# KiCad board cyberdeck-alpha.kicad_pcb (continued)
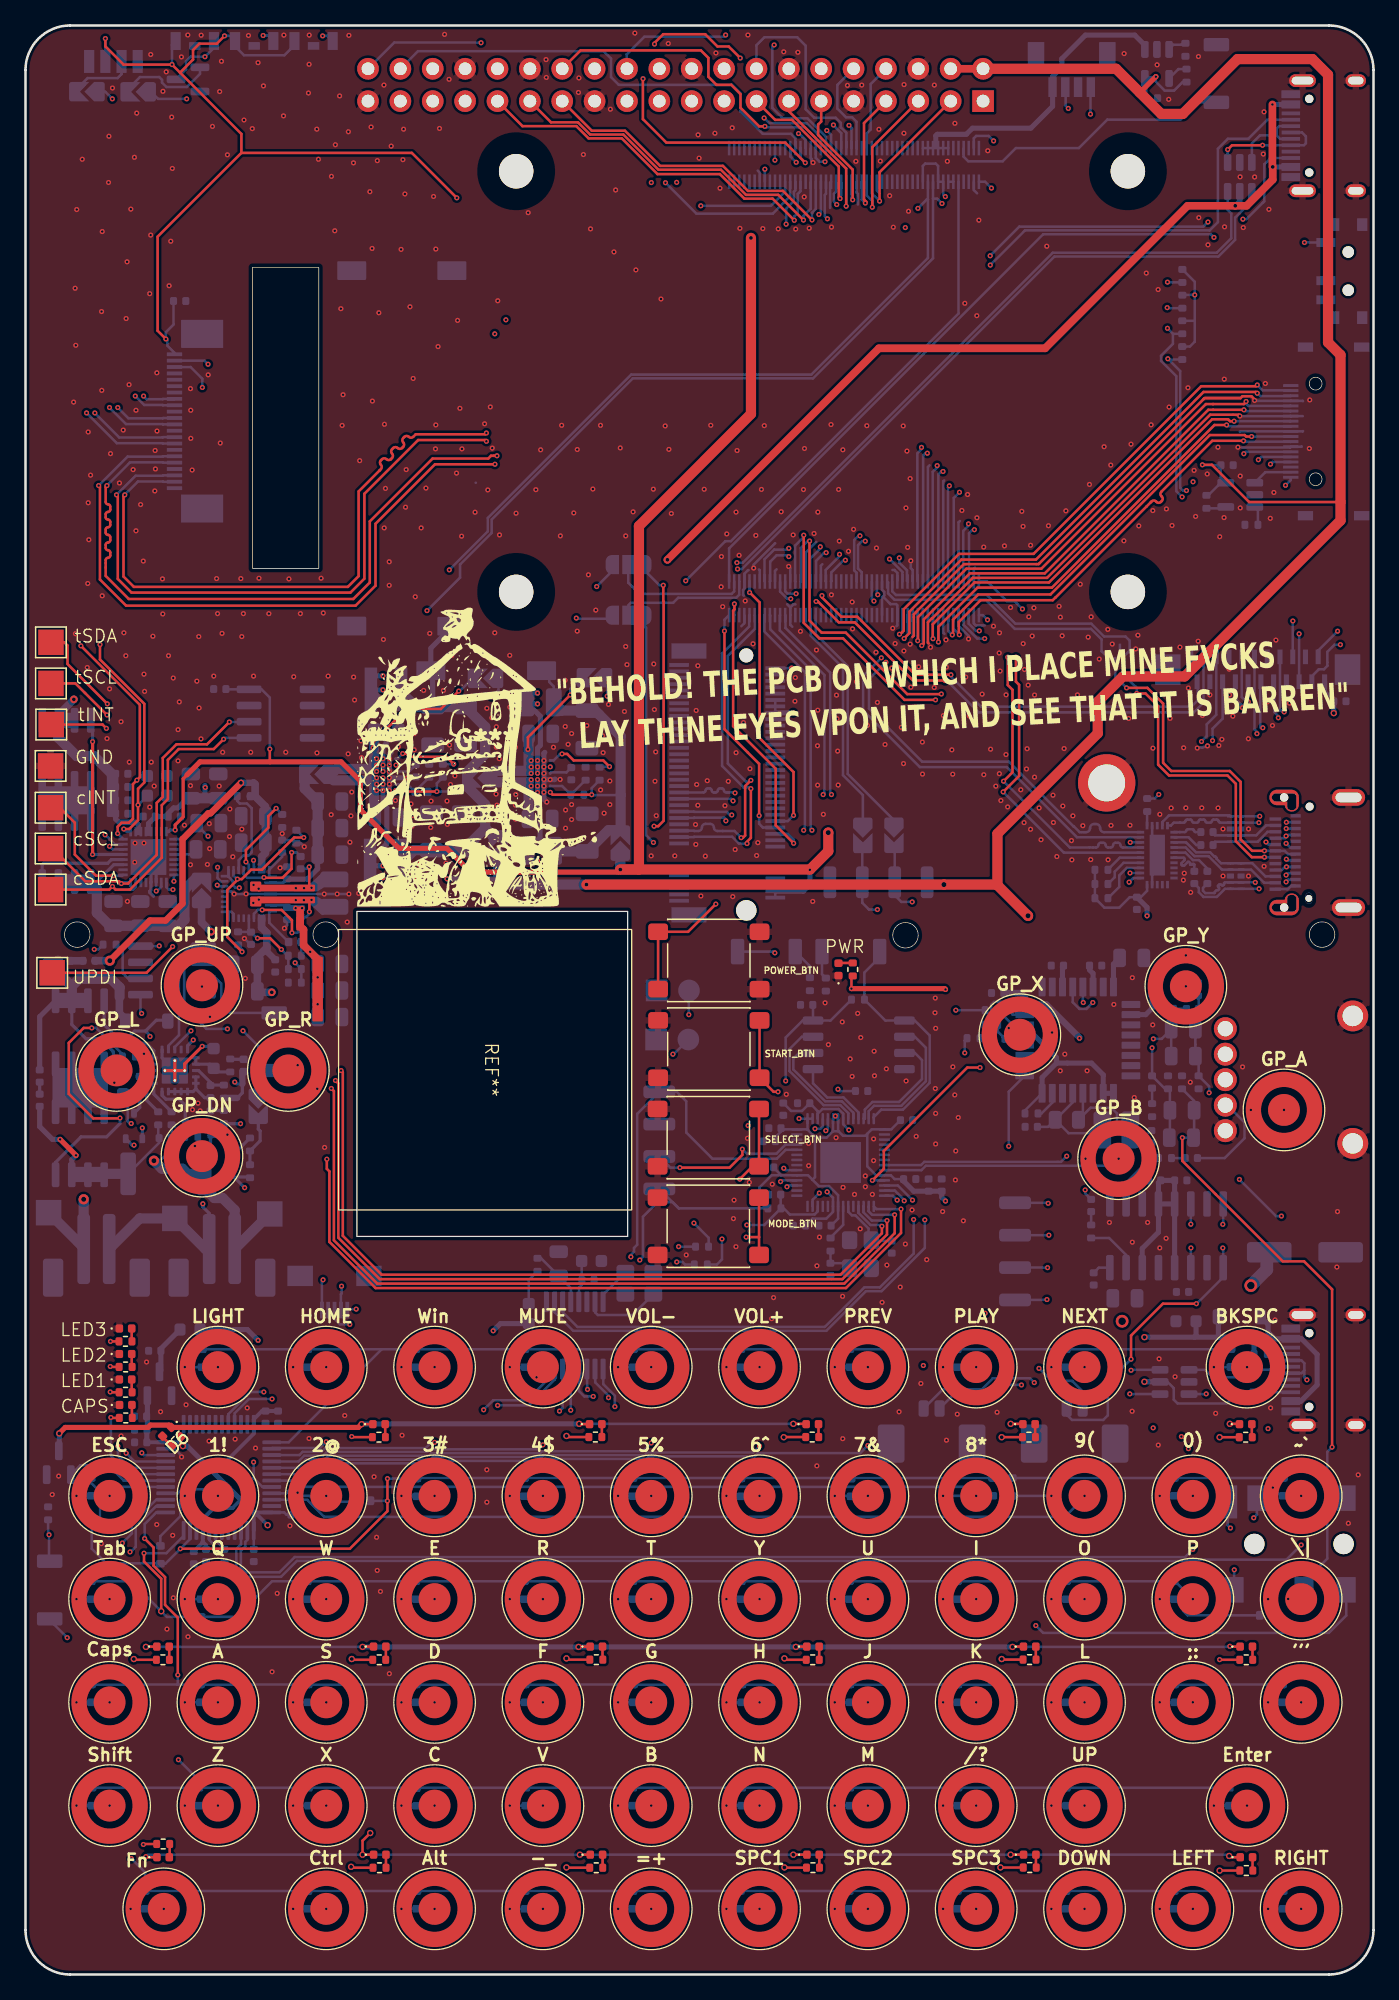
[diagram p0: board, top side]
## Routing (per net, layer and track width the routed paths; a pad name or vN(x,y) marks a point on that pad's centre or on a via; arc(x,y) is an arc through that point) (continued)
+VCHG: length 19.2
  In2.Cu w0.6: v3(14.57,81.81) 14.57,79.53 17.04,77.06 v3(19.33,77.06)
  Bottom w0.5: 18.94,80.27 C101.1
  Bottom w0.6: v3(14.57,81.81) 13.82,82.56 SJ15.1 ; 18.94,80.56 18.94,80.27 ; 18.94,80.56 18.94,81.73 18.53,82.14 18.53,82.87 ; 18.94,80.56 18.2,79.82 C102.1 C103.2 18.28,77.06 v3(19.33,77.06)
+VSYS: length 11.5
  Bottom w0.2: U4.25 20.26,85.67 C107.1
  Bottom w0.4: C107.1 22.12,85.94 22.93,86.75 C110.2
  Bottom w0.8: 21.91,93.67 21.91,93.05 C108.2 C110.2
/+VCHG_OUT: length 17.9
  Bottom w0.25: 5.36,85.4 5.36,85.5 6.93,87.07 U18.19
  Bottom w0.8: 13.31,85.94 12.48,85.11 12.48,82.75 12.01,82.28 C116.1 C115.1 C111.1 6.62,82.28 5.6,83.3 5.6,85.17 5.05,85.72 3.85,85.72
/BOOT0: length 24.6
  In1.Cu w0.2: v1(1.85,34.5) 7.2,34.5 12.9,40.2 v1(17.9,40.2)
  Bottom w0.2: v1(17.9,40.2) 17.9,38.94 18.59,38.25 U2.44 ; 1.85,32.46 1.85,34.5 v1(1.85,34.5) 1.78,34.57 R1.2
/BQ_3V3: length 16.1
  In2.Cu w0.2: v1(9.12,75.4) 11.2,73.32 11.62,73.32
  In2.Cu w0.25: v1(13.17,73.32) 11.62,73.32 10.11,71.81 10.11,67.36 v1(9.17,66.42)
  Bottom w0.2: v1(9.12,75.4) 9.02,75.49 9.02,76.87
  Bottom w0.25: v1(13.17,73.32) 12.72,72.87 U16.15 ; v1(9.17,66.42) Q2.1
/BQ_BATT+: length 2.8
  Bottom w0.25: C85.2 14.52,69.98 13.58,70.92 U16.18 ; R89.1 14.55,69.78
  Bottom w0.4: 14.55,69.78 C85.2
/BQ_BATT-: length 4.9
  Bottom w0.25: U16.5 10.72,68.97 11.02,68.67 12.07,68.67 12.54,68.2 C87.2 12.54,65.75 R91.1
/BQ_CELL1: length 6.7
  Bottom w0.25: U16.4 U16.3 U16.2 U16.1 13.15,69.27 13.37,69.48 ; C86.2 C85.1 14.06,68.79 13.37,69.48 ; R90.1 14.55,67.78 ; U16.19 U16.20 13.37,69.48
  Bottom w0.4: 14.55,67.78 C86.2
/BQ_CHG: length 2.2
  Bottom w0.25: U16.10 10.07,72.48 9.48,73.07 R86.2
/BQ_DSG: length 1.7
  Bottom w0.25: U16.9 9.23,71.42 R85.2
/BQ_REGSRC: length 3.5
  Bottom w0.25: U16.16 U16.17 14.44,71.42 15.05,70.81 R88.1
/BQ_SCL: length 9.8
  Bottom w0.2: U17.5 12.97,80.68 12.05,79.76 12.05,73.7 11.22,72.87 U16.12
/BQ_SDA: length 11.2
  In1.Cu w0.2: v1(10.5,80.7) 10.57,80.63 10.57,76.71 12.99,74.29 v1(12.99,74.04)
  Bottom w0.2: 9.02,80.68 10.48,80.68 v1(10.5,80.7) ; v1(12.99,74.04) 11.72,72.77 U16.13
/BQ_TS: length 1.3
  Bottom w0.25: U16.8 9.43,70.92 D32.1
/CAM_GPIO0: length 53.1
  In1.Cu w0.2: v1(99.45,106.19) 92.31,113.33 91.71,113.33 90.81,114.23 90.81,114.99 84.61,121.19 84.61,135.21 v1(75.97,143.85)
  Bottom w0.2: J20.6 99.44,106.18 v1(99.45,106.19) ; Module2.97 74.41,144.05 74.59,144.24 75.58,144.24 v1(75.97,143.85)
/CAM_GPIO1: length 52.4
  In1.Cu w0.2: v1(99.94,105.18) 99.75,105.18 98.55,106.37 98.55,106.65 92.18,113.02 91.58,113.02 90.51,114.1 90.51,114.86 84.31,121.06 84.31,135.08 79.24,140.15 v1(75.8,140.15)
  Bottom w0.2: v1(75.8,140.15) 75.3,140.64 Module2.100 ; J20.5 v1(99.94,105.18)
/CELL1: length 22.8
  In2.Cu w0.25: v1(13.92,60.47) 14.61,60.47 16.88,62.74 v1(16.88,66.75)
  Bottom w0.25: v1(16.88,66.75) 15.58,66.75 R90.2 ; BT2.1 14.42,59.72 13.92,60.22 v1(13.92,60.47)
  Bottom w0.8: BT1.2 8.97,59.32 TP2.1 14.12,56.92 BT2.1
/CELL+: length 62.9
  Top w0.5: v4(6.62,79.54) 9.77,82.69 11,82.69 12.32,84.01 12.32,89.07 14.35,91.1 14.52,91.1 v2(16.91,93.49)
  In2.Cu w0.25: 6.62,76.09 12,76.09 15.02,73.07 15.02,71.42 v1(16.42,70.02)
  In2.Cu w0.8: v4(4.57,60.82) 4.57,61.67 6.12,63.22 6.12,74.87 6.63,75.38 6.63,79.53 v4(6.62,79.54)
  Bottom w0.25: v1(16.42,70.02) 16.57,69.87 NT1.2 17.02,69.17 NT2.1
  Bottom w0.6: C92.1 5.48,79.54 v4(6.62,79.54)
  Bottom w0.8: v4(4.57,60.82) BT1.1 4.57,57.02 TP1.1
/CELL-: length 42.9
  Top w0.25: U16.21 U16.21 12.49,71.44 v1(13.87,72.82) ; U16.21 U16.21 ; U16.21 U16.21 ; U16.21 U16.21
  In2.Cu w0.8: U16.21 11.35,70.55 11.35,65.11 v4(10.08,63.84)
  Bottom w0.2: v4(10.08,63.84) 10.55,63.84 11.45,64.74 C88.2 11.47,65.64 R92.1
  Bottom w0.25: R95.2 16.66,64.67 D33.2 15.97,65.02 15.22,65.77 NT3.1 14.52,65.27 13.98,64.73 R94.2 ; U16.11 10.72,71.92 U16.21 ; C84.1 14.59,72.82 v1(13.87,72.82)
  Bottom w0.8: TP5.1 BT2.2 16.42,59.97 15.47,60.92 14.82,60.92 14.17,61.57 14.17,62.63 R94.2 12.72,62.82 12.32,63.22 10.71,63.22 v4(10.08,63.84)
/CHG_INT: length 22.5
  Top w0.2: v1(6.86,86.2) 5.53,86.2 3.87,87.86 3.87,90.36 2.7,91.54 TP12.1
  In2.Cu w0.2: v1(6.86,86.2) 7.35,86.69 11.02,86.69 12,87.66 15.05,87.66 15.72,88.34 16.97,88.34 v1(17.9,87.41)
  Bottom w0.2: U4.21 17.93,87.38 v1(17.9,87.41) ; v1(6.86,86.2) 7.59,86.2 U18.17
/CHG_SCL: length 36.2
  Top w0.2: v1(16,98.26) 14.25,96.51 11.85,96.51 10.77,95.44 10.77,92.39 10.3,91.91 10.3,87.84 8.05,85.59 v1(7.52,85.59) 7.35,85.76 4.7,85.76 2.12,88.34 TP10.1
  In2.Cu w0.2: v1(15.05,85.46) 14.5,85.46 13.2,84.16 11.67,84.16 10.17,85.66 7.6,85.66 v1(7.52,85.59)
  Bottom w0.2: v1(16,98.26) 17.52,98.26 U22.6 ; v1(7.52,85.59) 7.61,85.67 8.25,85.67 ; U4.14 15.14,85.37 v1(15.05,85.46)
/CHG_SDA: length 37.8
  Top w0.2: v1(15.55,96.91) 14.77,96.14 12.02,96.14 11.17,95.29 11.17,92.21 10.7,91.74 10.7,87.61 8.2,85.11 7.07,85.11 v1(6.82,85.36) 6.57,85.11 TP11.1
  In2.Cu w0.2: v1(6.82,85.36) 6.82,85.59 7.54,86.31 11.22,86.31 11.5,86.59 14.8,86.59 v1(15.07,86.86)
  Bottom w0.2: v1(6.82,85.36) 7.08,85.1 8.43,85.1 8.65,85.32 8.65,85.67 ; U4.15 15.33,85.77 15.07,86.02 v1(15.07,86.86) ; v1(15.55,96.91) 15.65,97.01 U22.5
/CM5_1V8: length 0.4
  Bottom w0.2: Module2.90 Module2.88
/CM5_3V3: length 38.3
  In2.Cu w0.2: v1(72.18,139.48) 81.42,139.48 86.67,134.23 90.83,134.23 91.75,133.31 v1(91.75,131.77)
  Bottom w0.2: v1(91.75,131.77) 91.75,129.74 ; v1(91.75,131.77) 90.8,131.77 R55.1 ; v1(91.75,131.77) 91.75,132.8 R54.1 ; 91.75,129.74 91.75,128.1 91.37,127.72 R84.1 ; 91.75,129.74 R83.1 ; Module2.78 70.41,141.88 70.6,142.07 71.43,142.07 71.61,141.88 Module2.84 Module2.86 72.01,139.64 v1(72.18,139.48)
/CM5_MMC_BOOT: length 22.6
  Bottom w0.2: Module2.93 73.61,142.61 73.98,142.25 76.68,142.25 77.72,143.29 82.66,143.29 84.89,145.52 90.64,145.52 91.99,146.87 93.45,146.87
/CM5_PWR_BTN: length 127.8
  Top w0.2: v1(54.17,83.98) 51.99,81.8 K_79.1 K_79.1
  In1.Cu w0.2: v1(51.81,109.34) 51.79,109.32 51.89,109.32 54.17,107.05 v1(54.17,83.98)
  In2.Cu w0.2: v1(5.4,80.43) 6.3,81.33 12.63,81.33 13.88,82.58 22.36,82.58 23.76,83.98 v1(54.17,83.98)
  Bottom w0.2: R66.1 5.72,80.43 v1(5.4,80.43) ; Module2.92 73.21,130.31 55.35,112.44 54.91,112.44 v1(51.81,109.34)
/CM5_USB_D_N: length 10.5
  Bottom w0.2: Module3.103 55.61,108.51 55.4,108.31 48.18,108.31 47.3,109.19 47.3,110.14
/CM5_USB_D_P: length 10.9
  Bottom w0.2: Module3.105 56.01,109.28 56.01,108.24 55.77,108.01 51.22,108.01 50.82,107.61 47.5,107.61 47.32,107.44 JP1.2
/CM5_USB_OTG_ID: length 59.9
  In2.Cu w0.2: v1(93.26,136.28) 97.44,136.28 97.84,135.88 v1(100.36,135.88)
  Bottom w0.2: S1.1 100.36,135.88 v1(100.36,135.88) ; Module3.101 55.21,111.88 79.85,136.52 93.01,136.52 v1(93.26,136.28)
/col0: length 38.9
  In2.Cu w0.2: v1(6.6,37.55) v1(6.6,13.25) 6.6,9.4 v1(10.85,5.15)
  Bottom w0.2: U2.17 7.3,38.25 v1(6.6,37.55)
  vias: v1(6.6,29.45) v1(6.6,21.35)
/col1: length 50.7
  In2.Cu w0.2: v1(23.6,5.15) 23.2,5.15 v1(15.1,13.25) v1(15.1,47.65)
  Bottom w0.2: v1(15.1,37.55) 14.6,38.05 12.25,38.05 11.95,37.75 U2.16
  vias: v1(15.1,29.45) v1(15.1,21.35)
/col2: length 50.8
  In2.Cu w0.2: v1(23.6,47.65) v1(23.6,13.25) 31.7,5.15 v1(32.1,5.15)
  Bottom w0.2: U2.38 19.38,41.31 23.11,41.31 v1(23.6,41.8)
  vias: v1(23.6,37.55) v1(23.6,29.45) v1(23.6,21.35)
/col3: length 47.6
  In2.Cu w0.2: v1(32.1,47.65) v1(32.1,13.25)
  Bottom w0.2: v1(32.1,41.75) 31.85,41.75 31.4,41.3 23.53,41.3 23.23,41 21.75,41 21.5,40.75 U2.39
  vias: v1(32.1,37.55) v1(32.1,29.45) v1(32.1,21.35)
/col4: length 63.7
  In2.Cu w0.2: v1(40.1,46.85) 40.6,46.35 v1(40.6,5.15)
  Bottom w0.2: U2.40 21.42,40.25 21.88,40.7 23.35,40.7 23.65,41 31.52,41 31.73,41.2 40.25,41.2 v1(40.6,41.55)
  vias: v1(40.6,37.55) v1(40.6,29.45) v1(40.6,21.35) v1(40.6,13.25)
/col5: length 73.1
  In2.Cu w0.2: v1(49.1,47.65) v1(49.1,5.15)
  Bottom w0.2: U2.41 21.35,39.75 22,40.4 23.48,40.4 23.78,40.7 31.65,40.7 31.85,40.9 40.37,40.9 40.53,41.05 48.45,41.05 v1(49.1,41.7)
  vias: v1(49.1,37.55) v1(49.1,29.45) v1(49.1,21.35) v1(49.1,13.25)
/col6: length 81.7
  In2.Cu w0.2: v1(57.6,47.65) v1(57.6,5.15)
  Bottom w0.2: U2.42 21.27,39.25 22.13,40.1 23.6,40.1 23.9,40.4 31.77,40.4 31.98,40.6 40.5,40.6 40.65,40.75 48.57,40.75 48.78,40.95 57.1,40.95 v1(57.6,41.45)
  vias: v1(57.6,37.55) v1(57.6,29.45) v1(57.6,21.35) v1(57.6,13.25)
/col7: length 90.4
  In2.Cu w0.2: v1(66.1,47.65) v1(66.1,5.15)
  Bottom w0.2: U2.43 21.2,38.75 22.25,39.8 23.73,39.8 24.02,40.1 31.9,40.1 32.1,40.3 40.62,40.3 40.78,40.45 48.7,40.45 48.9,40.65 57.22,40.65 57.48,40.9 65.5,40.9 v1(66.1,41.5)
  vias: v1(66.1,37.55) v1(66.1,29.45) v1(66.1,21.35) v1(66.1,13.25)
/col8: length 98.3
  In2.Cu w0.2: v1(74.6,5.15) v1(74.6,37.55) v1(74.6,47.65)
  Bottom w0.2: U2.45 20.45,37.75 20.95,38.25 73.9,38.25 v1(74.6,37.55)
  vias: v1(74.6,29.45) v1(74.6,21.35) v1(74.6,13.25)
/col9: length 107.6
  In2.Cu w0.2: v1(83.1,47.65) v1(83.1,5.15)
  Bottom w0.2: v1(83.1,37.55) 83.1,37.45 81.55,35.9 23.45,35.9 22.1,37.25 21.27,37.25 21.27,37.25 U2.46
  vias: v1(83.1,29.45) v1(83.1,21.35) v1(83.1,13.25)
/col10: length 111.1
  In2.Cu w0.2: v1(91.6,37.55) v1(91.6,5.15)
  Bottom w0.2: v1(91.6,33.35) 91,32.75 21.13,32.75 19.93,31.55 17.25,31.55 16.9,31.9 16.9,33.25 17.25,33.6 17.25,33.94 17.41,34.1 U2.2
  vias: v1(91.6,29.45) v1(91.6,21.36)
/col11: length 136.9
  In2.Cu w0.2: 100.1,29.43 v1(100.1,21.35) 100.1,17.5 v1(95.85,13.25) 95.85,9.4 v1(100.1,5.15) ; 100.1,29.43 v1(100.1,37.55) 95.85,41.8 v1(95.85,47.65) ; 100.1,29.43 100.06,29.47 v1(99.08,29.47)
  Bottom w0.2: U2.3 16.91,33.75 16.55,33.39 16.55,31.75 17.1,31.2 20.05,31.2 21.3,32.45 91.12,32.45 91.23,32.55 98.95,32.55 v1(100.1,33.7)
/CS: length 19.9
  Bottom w0.2: U5.56 66.56,67.26 67.15,67.85 68.85,67.85 70.95,69.95 70.95,73.67 69.78,74.84 U1.1 67.47,74.84 R26.2 65.83,78.6 67.03,79.8 K_82.2
/DAC_3V3_VDD: length 17.9
  Bottom w0.2: R46.1 78.43,67.79 U9.16 ; R45.1 76.3,73.95 C51.1
  Bottom w0.4: U9.9 U9.10 84.57,70.58 83.65,71.5 80.9,71.5 ; 80.9,71.5 80.9,71.94 79.14,73.7 U9.21 77.6,73.7 77.3,73.4 C51.1 ; 80.9,71.5 79.77,70.37 U9.16
/DAC_USB_D+: length 53.2
  In1.Cu w0.2: v1(44.55,45.35) 44.55,47.52 49.17,52.15 65.52,52.15 74.12,60.74 74.12,71.88 v1(73.7,72.3)
  Bottom w0.2: 43.44,47.48 43.44,45.77 43.85,45.35 v1(44.55,45.35) ; R43.1 73.7,73.27 v1(73.7,72.3)
/DAC_USB_D-: length 55.8
  In1.Cu w0.2: v1(44.1,45.9) 44.1,47.5 49.05,52.45 65.4,52.45 73.79,60.84 73.79,71.09 73.14,71.74 73.14,75.51 v1(73,75.65)
  Bottom w0.2: 44.07,47.48 44.07,45.93 v1(44.1,45.9) ; v1(73,75.65) R44.1
/DIGITAL_AUDIO_OUT: length 82.3
  In1.Cu w0.2: v1(70.45,47.78) 70.45,48.2 74.13,51.88 v1(75.3,51.88)
  In2.Cu w0.2: v1(70.45,47.78) 71.58,48.9 75.1,48.9 76.53,47.48 76.53,45.8 79.28,43.05 v1(79.28,27.38) ; v1(75.3,51.88) 77.15,53.73 v1(77.15,64.98)
  Bottom w0.2: v1(77.15,64.98) 77.15,69.25 U9.17 ; v1(79.28,27.38) 79.85,26.8 102.28,26.8 103.64,28.16 J8.7
/DSCH_PATH: length 13.8
  Top w0.4: v1(3.97,64.27) v1(2.72,65.52)
  Bottom w0.2: R94.1 10.49,65.25 C88.1 10.42,65.69 R93.2
  Bottom w0.4: C89.2 1.12,66.52 2.12,65.52 v1(2.72,65.52) ; 3.63,62.74 3.63,63.93 v1(3.97,64.27)
  Bottom w0.8: R94.1 6.25,62.82 6.17,62.74
/FAN_PWM: length 29.7
  In2.Cu w0.2: v1(81.83,146.4) 81.62,146.19 81.62,143.67 79.58,141.63 59.13,141.63 58.81,141.95 v1(58.81,142.34)
  Bottom w0.2: J1.3 81.62,148.04 81.62,146.61 v1(81.83,146.4) ; Module2.19 58.81,142.34 v1(58.81,142.34)
/FAN_TACHO: length 31.3
  In2.Cu w0.2: v1(58.02,141.63) 58.4,141.25 79.71,141.25 83.57,145.11 v1(83.57,145.95)
  Bottom w0.2: Module2.16 58.01,141.62 v1(58.02,141.63) ; v1(83.57,145.95) 83.57,148.04 J1.1
/GATE_VBUS: length 13
  Top w0.25: v1(5.27,96.72) v1(5.27,87.87)
  Bottom w0.25: 5.12,98.39 5.27,98.25 v1(5.27,96.72) ; v1(5.27,87.87) U18.21
/GATE_VCHG: length 7.8
  Bottom w0.25: 1.31,85.74 1.31,87.07 1.42,87.18 6.45,87.18 6.74,87.47 U18.20
/GP_BTN_A: length 39.5
  In2.Cu w0.2: v1(81.7,64.2) 86.15,59.75 95.2,59.75 98.75,63.3 v1(98.75,67.83)
  Bottom w0.2: v1(81.7,64.2) 81.25,63.75 70.53,63.75 70.27,63.5 U5.8
/GP_BTN_B: length 18.7
  Bottom w0.2: v1(85.78,64) 85.23,63.45 70.65,63.45 70.3,63.1 67.4,63.1
/GP_BTN_DN: length 69.6
  Top w0.2: v1(68.7,60.05) 68.7,58.17 64.38,53.85 27.47,53.85 23.85,57.48 23.85,63 23.65,63.2 v1(23.65,63.96)
  In1.Cu w0.2: v1(13.3,65) 14.09,64.2 23.41,64.2 v1(23.65,63.96)
  Bottom w0.2: U5.15 66.78,60.05 v1(68.7,60.05)
/GP_BTN_L: length 82.2
  Top w0.2: v1(68.2,59.6) 68.2,58.15 64.25,54.2 27.6,54.2 24.2,57.6 24.2,69.31 v1(24,69.51)
  In1.Cu w0.2: v1(24,69.51) 23.47,70.04 17.32,70.04 16.43,70.93 13.54,70.93 12.21,72.26 11.18,72.26 9.49,70.57 7.96,70.57 7.35,69.96 v1(6.97,69.96)
  Bottom w0.2: 66.15,60.25 U5.16 66.16,59.87 66.43,59.6 v1(68.2,59.6)
/GP_BTN_LB: length 18.8
  In2.Cu w0.2: v1(59.5,63.25) 58.63,63.25 57.65,64.22 57.65,67.12 53.97,70.8 53.73,70.8 52.05,72.48 v1(52.05,75.3)
  Bottom w0.2: J2.2 52.05,77.19 v1(52.05,75.3) ; 60.53,63.1 59.65,63.1 v1(59.5,63.25)
/GP_BTN_MODE: length 13.9
  Top w0.2: K_80.2 57.56,57.85 ; 57.56,57.85 K_80.2 ; 57.56,57.85 v1(56.55,57.85)
  In1.Cu w0.2: v1(62.29,61.31) 62.29,61.3 60.2,61.3 56.75,57.85 v1(56.55,57.85)
  Bottom w0.2: v1(62.29,61.31) 61.76,60.78 U5.27
/GP_BTN_R: length 65.1
  Top w0.2: v1(24.77,70.92) 24.9,70.78 24.9,57.95 27.95,54.9 63.95,54.9 67.2,58.15 v1(67.2,58.7)
  In1.Cu w0.2: v1(21.36,71.34) 21.36,71.03 21.57,70.81 24.66,70.81 v1(24.77,70.92)
  Bottom w0.2: U5.18 65.35,60.25 65.35,59.75 66.3,58.8 67.1,58.8 v1(67.2,58.7)
/GP_BTN_RB: length 17.3
  In2.Cu w0.2: v1(59.25,62.2) 57.35,64.1 57.35,67 53.85,70.5 52.5,70.5 v1(50.8,72.2)
  Bottom w0.2: v1(50.8,72.2) 50.87,72.2 J3.2 ; U5.32 59.35,62.3 v1(59.25,62.2)
/GP_BTN_SEL: length 21
  Top w0.2: K_74.2 K_74.2 57.05,63.4 v1(56.05,62.4)
  In2.Cu w0.2: v1(68.4,60.75) 57.1,60.75 56.05,61.8 v1(56.05,62.4)
  Bottom w0.2: v1(68.4,60.75) 68.05,61.1 67.4,61.1
/GP_BTN_STA: length 23.6
  Top w0.2: v1(59.05,69.25) 58.7,69.25 K_73.2 K_73.2
  In2.Cu w0.2: v1(68.95,60.7) 68.95,61.55 67.35,63.15 62.93,63.15 59.05,67.03 v1(59.05,69.25)
  Bottom w0.2: U5.13 68.22,61.5 68.95,60.77 v1(68.95,60.7)
/GP_BTN_UP: length 77.3
  Top w0.2: 63.29,54.55 64.1,54.55 67.6,58.05 v1(67.6,59.15) ; v1(24.32,70.14) 24.55,69.91 24.55,57.8 27.8,54.55 63.25,54.55
  In1.Cu w0.2: v1(13.85,77.51) 13.85,77.5 13.85,74.3 17.74,70.41 24.05,70.41 v1(24.32,70.14)
  Bottom w0.2: v1(67.6,59.15) 66.4,59.15 65.75,59.8 65.75,60.25 U5.17
/GP_BTN_X: length 17.9
  Top w0.2: v1(74.9,71.15) 73.9,71.15 67.35,64.6 67.35,63.2 v1(66.45,62.3)
  In2.Cu w0.2: v1(74.9,71.15) 74.9,71.5 77.15,73.75 v1(77.15,74.25)
  Bottom w0.2: U5.11 v1(66.45,62.3)
/GP_BTN_Y: length 33.3
  In2.Cu w0.2: 88.08,77.53 82.58,77.53 69.6,64.55 v1(69.6,60.75) ; v1(91.05,77.53) 88.13,77.53
  Bottom w0.2: v1(69.6,60.75) 68.45,61.9 67.4,61.9
/GPIO_2: length 11.9
  Top w0.2: J15.3 67.02,141.39 v1(67.02,139.13)
  Bottom w0.2: Module2.58 66.41,139.73 v1(67.02,139.13)
/GPIO_3: length 12
  Top w0.2: J15.5 66.45,143.36 v1(66.45,138.65)
  Bottom w0.2: v1(66.45,138.65) 66.45,139.15 66.01,139.58 Module2.56
/GPIO_4: length 10.6
  Top w0.2: v1(65.9,138.97) 65.97,139.04 65.97,139.09 65.8,139.26 65.8,145.25 J15.7
  Bottom w0.2: Module2.54 65.62,140.64 65.62,139.26 v1(65.9,138.97)
/GPIO_5: length 28.6
  Top w0.2: J15.29 41.24,145.31 43.35,145.31 44.31,144.34 46.91,144.34 49.67,141.58 54.57,141.58 56.54,139.62 59.07,139.62 v1(61.05,137.64)
  Bottom w0.2: v1(61.05,137.64) 61.05,137.96 61.61,138.53 Module2.34
/GPIO_6: length 30.4
  Top w0.2: v1(60.33,137.62) 58.63,139.31 56.41,139.31 54.48,141.24 49.59,141.24 46.79,144.04 44.19,144.04 43.23,145 39,145 J15.31
  Bottom w0.2: Module2.30 60.81,139.9 60.6,139.69 60.6,138.21 60.33,137.94 v1(60.33,137.62)
/GPIO_7: length 23.5
  In2.Cu w0.2: J15.26 46.11,150.96 52.95,150.96 53.54,150.37 53.54,149.02 54.32,148.24 55.32,148.24 56.15,147.41 56.15,146.27 56.77,145.65 v1(57.96,145.65)
  Bottom w0.2: v1(57.96,145.65) 58.37,145.24 61.31,145.24 62.41,144.13 Module2.37
/GPIO_8: length 24.7
  In2.Cu w0.2: v1(54.94,152.16) 55.72,151.38 v1(58.75,151.38)
  Bottom w0.2: J15.24 47.18,149.53 47.18,150.64 48.57,152.03 54.81,152.03 v1(54.94,152.16) ; v1(58.75,151.38) 58.61,151.24 58.61,146.44 59.43,145.62 61.36,145.62 62.81,144.16 Module2.39
/GPIO_9: length 22.3
  In2.Cu w0.2: J15.21 49.74,143.43 54.61,138.56 62.44,138.56 62.93,138.07 v1(62.93,137.74)
  Bottom w0.2: v1(62.93,137.74) 62.72,137.95 62.72,139.6 62.81,139.7 Module2.40
/GPIO_10: length 20
  In2.Cu w0.2: v1(63.66,138.86) 63.56,138.96 54.64,138.96 52.28,141.32 J15.19
  Bottom w0.2: v1(63.66,138.86) 63.44,139.08 63.44,139.7 63.61,139.87 Module2.44
/GPIO_11: length 22.2
  In2.Cu w0.2: J15.23 47.2,145.54 54.67,138.08 v1(62.26,138.08)
  Bottom w0.2: v1(62.26,138.08) 62.28,138.08 62.41,138.21 Module2.38
/GPIO_12: length 31.6
  Top w0.2: v1(56.09,150.35) 55.18,151.26 54.3,151.26 53.34,152.22 50.04,152.22 49.39,151.57 49.39,151.48 v1(49.36,151.45)
  In2.Cu w0.2: v1(49.36,151.45) 49.24,151.57 39.1,151.57 J15.32 ; v1(56.09,150.35) 56.08,150.34 56.08,148.86 56.74,148.2 58.08,148.2 58.59,147.69 58.59,145.72 58.82,145.49 59.6,145.49 v1(60.66,144.42)
  Bottom w0.2: v1(60.66,144.42) 60.7,144.42 61.21,143.91 Module2.31
/GPIO_13: length 33.5
  In1.Cu w0.2: v1(51.1,140.6) 46,145.7 35.77,145.7 J15.33
  In2.Cu w0.2: v1(59.69,137.32) 59.44,137.57 52.98,137.57 51.1,139.45 v1(51.1,140.6)
  Bottom w0.2: Module2.28 60.41,139.98 60.3,139.86 60.3,139.14 59.69,138.53 v1(59.69,137.32)
/GPIO_14: length 6.8
  Bottom w0.2: Module2.55 66.01,144.44 66.32,144.74 66.32,148.31 J15.8
/GPIO_15: length 7.7
  Bottom w0.2: J15.10 63.71,148.24 63.71,146.38 64.39,145.7 64.87,145.7 65.21,145.35 Module2.51
/GPIO_16: length 63.5
  Top w0.2: v1(48.46,148.73) 48.45,148.72 48.45,145.56 50.29,143.72 59.61,143.72 v1(61.19,142.14)
  In1.Cu w0.2: v1(12.65,147.15) 12.9,147.15 14.96,149.21 16.15,149.21 18.04,151.1 30.37,151.1 J15.36 34.69,152.24 46.95,152.24 48.46,150.73 v1(48.46,148.73)
  Bottom w0.2: v1(61.19,142.14) 60.81,142.51 Module2.29 ; v1(12.65,147.15) 10.41,147.15 SJ7.1
/GPIO_17: length 10.4
  Top w0.2: J15.11 62.44,145.37 62.2,145.13 62.2,144.31 64.91,141.6 v1(64.91,139.23)
  Bottom w0.2: Module2.50 64.81,139.71 64.82,139.71 64.82,139.32 v1(64.91,139.23)
/GPIO_18: length 7.2
  In2.Cu w0.2: J15.12 63.74,148.21 63.74,145.9 64.57,145.07 v1(64.62,145.07)
  Bottom w0.2: Module2.49 64.81,144.87 v1(64.62,145.07)
/GPIO_19: length 33.4
  In1.Cu w0.2: v1(50.22,140.57) 45.49,145.3 33.63,145.3 J15.35
  Bottom w0.2: Module2.26 60,140.63 60,139.49 58.65,138.15 52.64,138.15 v1(50.22,140.57)
/GPIO_20: length 36.8
  Bottom w0.2: Module2.27 60.41,144.05 60.06,144.41 57.85,144.41 56.11,146.15 56.11,147.57 55.43,148.25 46.56,148.25 45.95,148.86 45.95,150.31 45.37,150.89 30.8,150.89 J15.38
/GPIO_21: length 43.1
  In2.Cu w0.2: v1(60.48,142.17) 60.48,143.41 59.58,144.31 55.2,144.31 53.62,145.89 53.62,147.73 53.13,148.22 36.27,148.22 35.75,148.74 v1(35.75,151.55)
  Bottom w0.2: Module2.25 60.01,142.63 v1(60.48,142.17) ; v1(35.75,151.55) 35.73,151.57 28.94,151.57 J15.40
/GPIO_22: length 12.5
  Top w0.2: J15.15 58.83,145.5 60.15,145.5 63.82,141.83 63.82,139.43 v1(63.92,139.33)
  Bottom w0.2: Module2.46 64.01,139.6 63.92,139.51 v1(63.92,139.33)
/GPIO_23: length 16.6
  Bottom w0.2: Module2.47 64.41,144.48 63.98,144.92 63.98,145.26 63.57,145.67 61.89,145.67 61.22,146.34 61.22,151.32 60.56,151.98 57.98,151.98 57.36,151.36 J15.16
/GPIO_24: length 15.6
  In2.Cu w0.2: v1(63.4,145.1) 62.51,145.1 61.08,146.53 61.08,147.92 60.75,148.25 59.25,148.25 58.62,148.88 58.62,150.37 58.11,150.88 55.69,150.88 54.82,150.01 J15.18
  Bottom w0.2: v1(63.4,145.1) 63.4,145.07 64.01,144.45 Module2.45
/GPIO_25: length 19.8
  In1.Cu w0.2: J15.22 51.49,151.26 57.66,151.26 58.61,150.31 58.61,148.94 59.3,148.25 60.39,148.25 61.16,147.48 61.16,145.97 62.46,144.67 v1(62.88,144.67)
  Bottom w0.2: Module2.41 63.21,144.33 v1(62.88,144.67)
/GPIO_26: length 59.8
  In1.Cu w0.2: v1(49.11,140.58) 50.93,138.76 v1(52.99,138.76) ; v1(6.82,147.15) 11.38,147.15 12.07,146.46 24.08,146.46 24.92,145.62 28.07,145.62 J15.37
  In2.Cu w0.2: v1(49.11,140.58) 44.46,145.23 31.16,145.23 J15.37
  Bottom w0.2: Module2.24 59.61,139.87 58.49,138.76 v1(52.99,138.76) ; SJ6.1 6.25,147.71 v1(6.82,147.15)
/GPIO_27: length 12
  Top w0.2: v1(64.4,138.73) 64.4,141.68 59.9,146.18 J15.13
  Bottom w0.2: Module2.48 64.41,140.64 64.41,138.74 v1(64.4,138.73)
/HDMI_CEC: length 40.5
  In2.Cu w0.2: v1(65.48,112.87) 65.5,112.85 74.82,112.85 81.28,119.31 v1(95.6,119.31)
  Bottom w0.2: Module3.151 65.21,109.97 65.03,110.16 65.03,112.54 65.36,112.87 v1(65.48,112.87) ; v1(95.6,119.31) 95.75,119.46 J12.14
/HDMI_HOTPLUG: length 41.1
  In1.Cu w0.2: v1(91.62,117.11) 91.79,116.94 98.76,116.94 v1(98.87,116.83)
  In2.Cu w0.2: v1(65.9,112.45) 66,112.54 74.94,112.54 81.4,119 89.72,119 v1(91.62,117.11)
  Bottom w0.2: J12.19 99.28,117.25 v1(98.87,116.83) ; Module3.153 65.61,110.01 65.33,110.29 65.33,112.14 65.64,112.45 v1(65.9,112.45)
/HDMI_SCL: length 33.2
  In2.Cu w0.2: 96.74,118.88 v1(96.74,118.84) 96.31,118.41 94.75,118.41 90.59,114.25 77.95,114.25 75.83,112.13 75.83,111.5 75.49,111.16 v1(75.49,106.28)
  Bottom w0.2: v1(96.74,118.84) 96.96,119.06 J12.15 ; v1(75.49,106.28) 75.12,106.64 Module3.200
/HDMI_SDA: length 33.3
  In2.Cu w0.2: v1(78.23,107.13) 78.22,107.14 78.22,112.35 78.95,113.08 91.45,113.08 91.52,113.01 94.7,116.19 95.5,116.19 97.69,118.38 v1(97.69,118.49)
  Bottom w0.2: J12.16 97.86,118.66 v1(97.69,118.49) ; v1(78.23,107.13) 77.61,107.74 77,107.74 75.46,109.28 Module3.199
/HDMI_TX0+: length 37.8
  Top w0.2: v1(71.21,104.8) 71.19,104.82 71.19,105.92 74.47,109.21 80.31,109.21 93.11,122.01 94.36,122.01 94.52,121.86 v1(94.84,121.86)
  Bottom w0.2: v1(71.21,104.8) Module3.182 ; 99.26,121.88 J12.8 v1(94.84,121.86)
/HDMI_TX0-: length 37.6
  Top w0.2: v1(94.25,121.56) 93.3,121.56 80.54,108.8 74.7,108.8 71.64,105.74 v1(71.64,104.53)
  Bottom w0.2: v1(71.64,104.53) 71.64,105.03 71.62,105.04 71.62,106.63 Module3.184 ; v1(94.25,121.56) 94.35,121.46 J12.9 99.26,121.43
/HDMI_TX1+: length 40.4
  Top w0.2: v1(70.01,104.64) 70.04,104.67 70.04,106.49 73.83,110.29 79.71,110.29 92.62,123.2 95.61,123.2 95.78,123.37 v1(95.78,123.41)
  Bottom w0.2: 99.26,123.08 J12.5 95.95,123.06 95.78,123.23 v1(95.78,123.41) ; v1(70.01,104.64) 70.01,104.69 70.01,104.69 70.01,105.03 70.01,105.03 70.01,106.64 Module3.176
/HDMI_TX1-: length 40.2
  Top w0.2: v1(70.33,104.25) 70.49,104.41 70.49,106.31 74.09,109.92 79.97,109.92 92.81,122.75 v1(95.61,122.75)
  Bottom w0.2: v1(95.61,122.75) 95.62,122.75 95.71,122.66 J12.6 99.26,122.63 ; Module3.178 70.41,106.64 70.41,104.33 v1(70.33,104.25)
/HDMI_TX2+: length 41.6
  Top w0.2: v1(96.66,124.7) 96.56,124.6 92.25,124.6 79.1,111.45 73.25,111.45 68.91,107.11 68.91,105.43 68.63,105.15 v1(68.58,105.15)
  Bottom w0.2: Module3.170 68.81,106.64 68.81,105.28 68.68,105.15 v1(68.58,105.15) ; J12.2 99.26,124.28 97.08,124.28 v1(96.66,124.7)
/HDMI_TX2-: length 41.4
  Top w0.2: v1(96.66,124.05) 96.56,124.15 92.44,124.15 79.29,111 73.44,111 69.36,106.92 69.36,105.24 68.95,104.83 v1(68.95,104.81)
  Bottom w0.2: v1(96.66,124.05) 96.67,124.05 96.89,123.83 99.26,123.83 J12.3 ; Module3.172 69.22,106.64 69.22,105.11 68.95,104.84 v1(68.95,104.81)
/HDMI_TXC+: length 35.5
  Top w0.2: v1(96.21,120.66) 95.78,120.66 95.67,120.77 92.94,120.77 80.43,108.27 74.76,108.27 72.78,106.29 72.78,105.15 v1(72.72,105.09)
  Bottom w0.2: Module3.188 72.42,106.64 72.42,105.4 v1(72.72,105.09) ; 99.26,120.68 J12.11 v1(96.21,120.66)
/HDMI_TXC-: length 35.4
  Top w0.2: v1(73.28,105.11) 73.23,105.15 73.23,106.1 74.94,107.82 80.61,107.82 80.84,108.05 80.85,108.05 88.29,115.49 88.37,115.57 arc(88.54,115.64) 88.7,115.57 88.75,115.52 arc(88.92,115.45) 89.09,115.52 89.17,115.6 arc(89.24,115.77) 89.17,115.94 89.12,115.99 arc(89.05,116.15) 89.12,116.32 93.12,120.32 95.57,120.32 v1(95.57,120.31)
  Bottom w0.2: Module3.190 72.81,106.64 72.81,105.58 v1(73.28,105.11) ; 99.26,120.23 J12.12 95.8,120.26 95.74,120.31 v1(95.57,120.31)
/HUB_DS_0_D+: length 28
  In1.Cu w0.2: v1(35.95,44.3) 35.1,45.15 v1(19.35,45.15)
  Bottom w0.2: v1(19.35,45.15) 17.53,45.15 16.41,44.03 U2.33 ; 40.9,47.48 40.9,46.6 39.35,45.05 39.35,45.05 36.7,45.05 v1(35.95,44.3)
/HUB_DS_0_D-: length 29.2
  In1.Cu w0.2: v1(18.7,45.7) 19.37,45.7 19.62,45.45 35.22,45.45 35.93,44.75 36.95,44.75 v1(37.05,44.65)
  Bottom w0.2: v1(37.05,44.65) 39.52,44.65 41.53,46.66 41.53,47.48 ; U2.32 15.91,43.96 17.66,45.7 v1(18.7,45.7)
/HUB_DS_1_D+: length 22.1
  In1.Cu w0.2: v1(51.25,57.1) 50.3,57.1 49.5,56.3 49.5,55.75 41.9,48.15 v1(41.9,44.2)
  Bottom w0.2: U7.6 42.15,44.45 v1(41.9,44.2) ; v1(51.25,57.1) R27.1
/HUB_DS_1_D-: length 20.9
  In1.Cu w0.2: v1(42.78,44.27) 42.2,44.85 42.2,48.03 49.53,55.35 49.85,55.35 50.4,55.9 v1(51.1,55.9)
  Bottom w0.2: U7.5 v1(42.78,44.27) 42.8,44.25 ; R28.1 51.75,55.7 51.55,55.9 v1(51.1,55.9)
/HUB_DS_3_D+: length 46.8
  In1.Cu w0.2: v1(45.75,45.25) 84.6,45.25 v1(86.75,47.4)
  Bottom w0.2: U6.6 86.79,47.44 v1(86.75,47.4) ; v1(45.75,45.25) 45.75,45.41 44.71,46.45 44.71,47.48
/HUB_DS_3_D-: length 46.5
  In1.Cu w0.2: v1(46.25,44.55) 46.65,44.95 84.72,44.95 85.33,45.55 v1(86.65,45.55)